# Altium PCB PCB4191.PcbDoc (part 4 of 4) (continued)
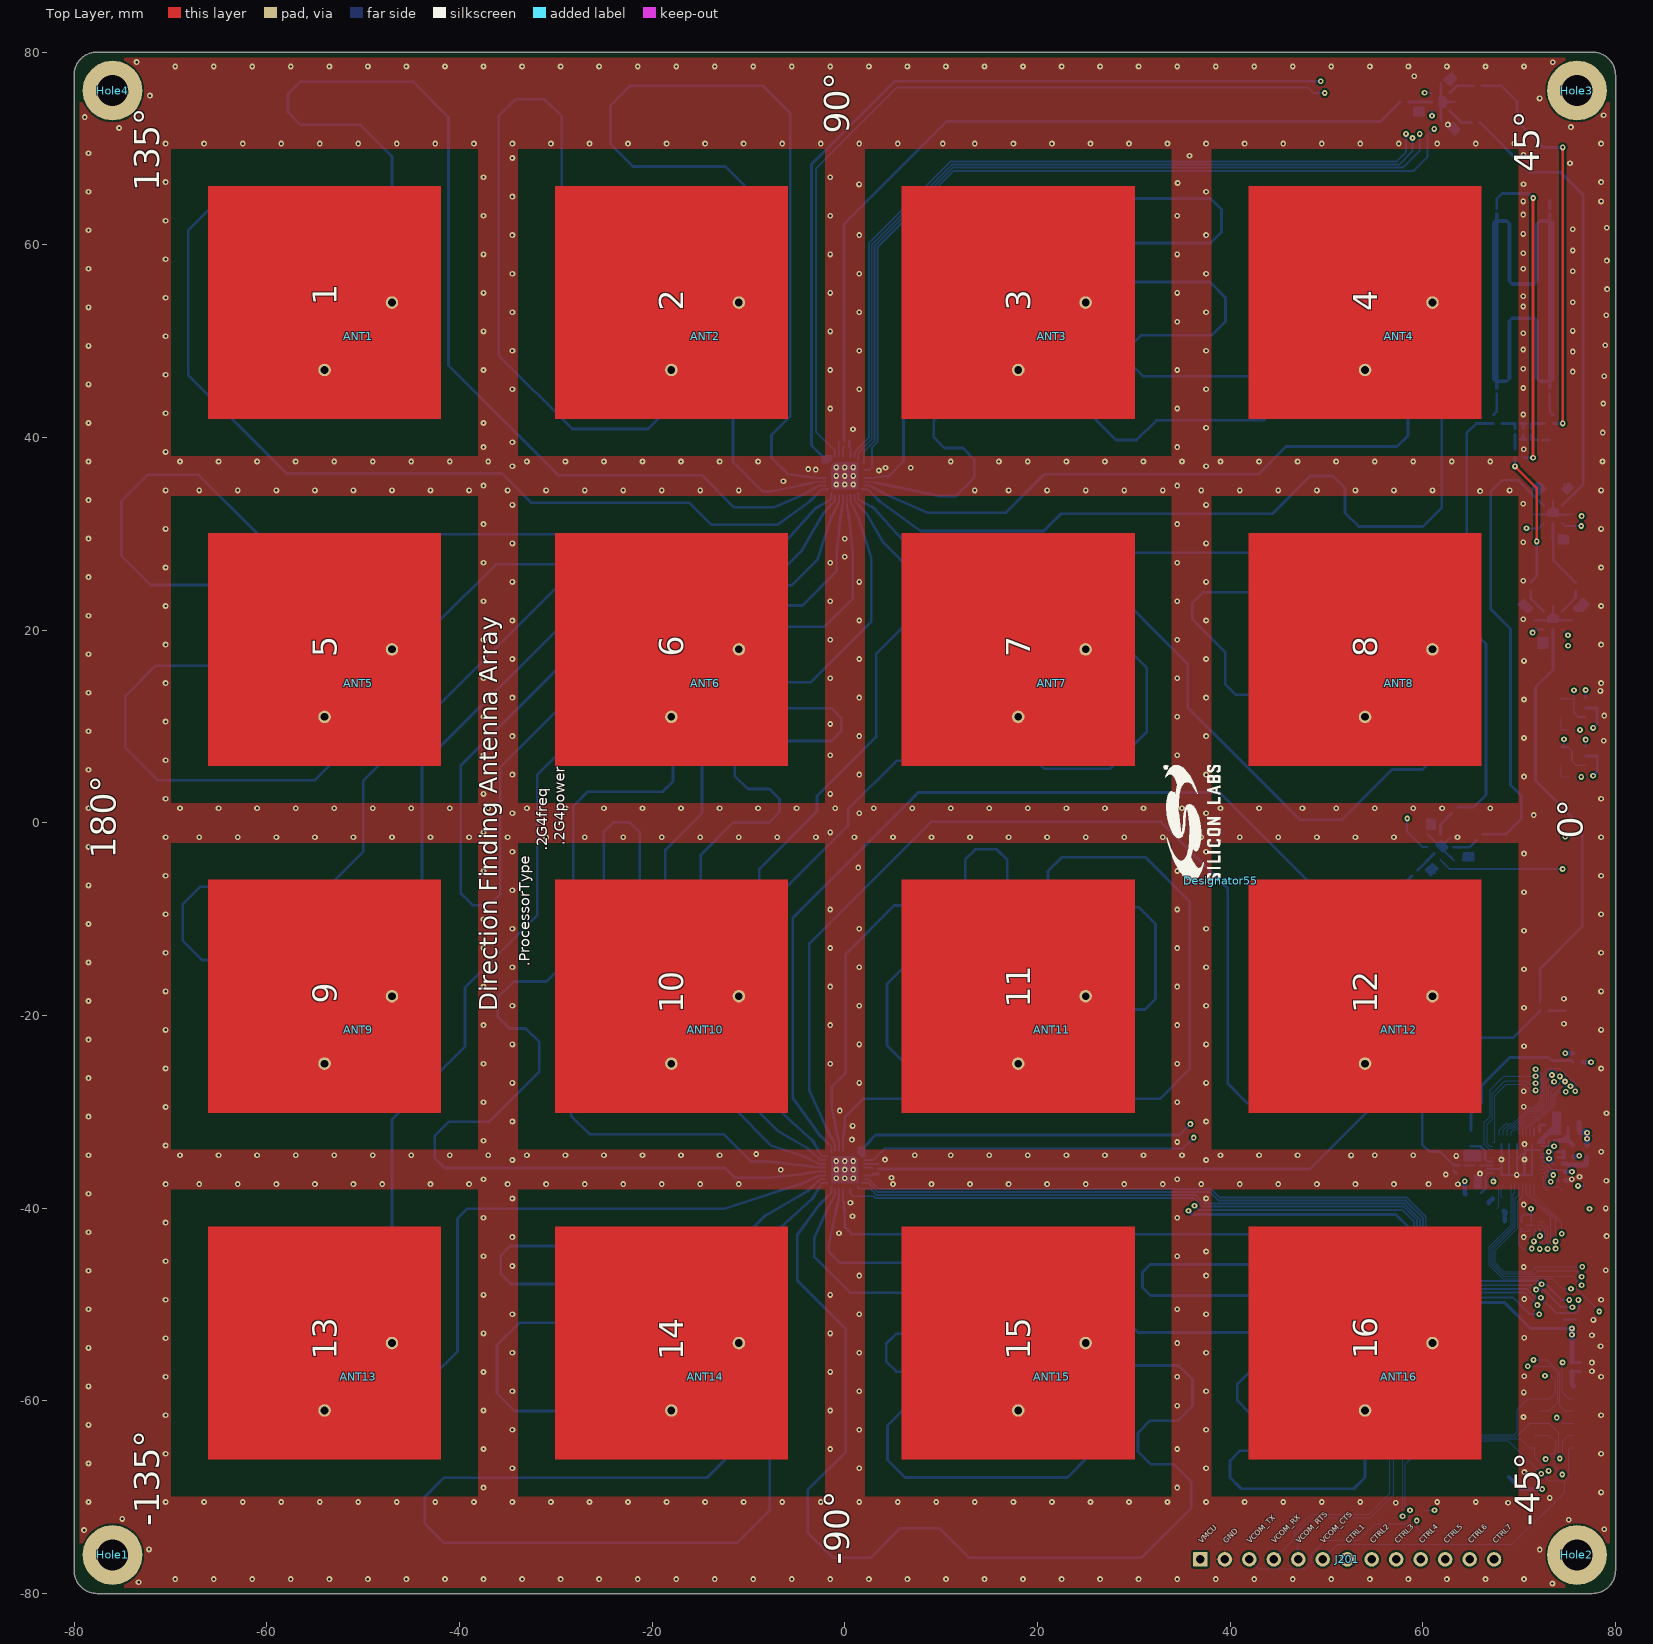
[diagram p0: Top Layer view]
## Nets (pads, with @x,y where several pads share a name; then routed paths per layer and width w, separated by ;. In a path a pad name is that pad's centre, name@x,y a point inside that pad or via, vN(x,y) a via of type N, cw(c..) or ccw(c..) an arc to the next point about the centre after c; other vN are vias at no path point) (continued)
  Bottom Layer w0.3: L203.2@65,-33.575 65.95,-33.575 66.45,-34.075 C206.1@66.45,-34.906
N16857153: CC11.2 D11.2 U201.3 | length 2.7
  Bottom Layer w0.28: U201.3@74.45,21.929 75.838,23.317 CC11.2@75.838,24.054
N16857156: CC12.2 D12.2 U201.1 | length 2.7
  Bottom Layer w0.28: CC12.2@71.212,24.074 71.212,23.267 U201.1@72.55,21.929
N16857328: H1.2 RH1.1 | length 0.8
  Bottom Layer w0.35: H1.2@73.185,63.746 RH1.1@73.185,64.56
N16857331: CH1.1 LH1.1 R209.1 | length 1.5
  Bottom Layer w0.28: R209.1@69.567,38.789 CH1.1@69.567,39.753 ; CH1.1@69.567,39.753 LH1.1@69.567,40.303
N16857342: CH2.1 LH1.2 R211.1 | length 1.9
  Bottom Layer w0.28: R211.1@68.22,41.45 69.565,41.45 CH2.1@69.567,41.453 LH1.2@69.567,40.903
N16857347: CH2.2 CH4.1 LH2.2 | length 1.2
  Bottom Layer w0.28: CH2.2@70.117,41.453 70.417,41.453 ; LH2.2@70.417,40.903 70.417,41.453 ; CH4.1@70.717,41.453 70.417,41.453
N16857354: CH1.2 CH3.1 LH2.1 | length 1.2
  Bottom Layer w0.28: CH1.2@70.117,39.753 70.417,39.753 ; LH2.1@70.417,40.303 70.417,39.753 ; CH3.1@70.717,39.753 70.417,39.753
N16857397: CH4.2 LH3.2 R213.1 | length 1.9
  Bottom Layer w0.28: LH3.2@71.267,40.903 CH4.2@71.267,41.453 R213.1@72.62,41.453
N16857402: H1.4 R210.1 | length 2.3
  Bottom Layer w0.28: R210.1@67.32,42.35 67.655,42.685 H1.4@67.655,44.546
N16857405: H1.3 R212.1 | length 2.3
  Bottom Layer w0.28: H1.3@73.185,44.546 73.185,42.685 R212.1@73.52,42.35
N16857668: CC31.1 D31.2 U203.3 | length 2.7
  Bottom Layer w0.28: U203.3@62.809,73.875 63.991,72.692 CC31.1@65.02,72.692
N16857679: CC32.1 D32.2 U203.1 | length 2.7
  Bottom Layer w0.28: U203.1@62.809,75.775 63.531,76.497 63.541,76.507 CC32.1@65.206,76.507
N16857715: CC41.1 D41.2 U204.3 | length 2.7
  Bottom Layer w0.28: U204.3@63.169,-2.552 64.841,-2.552 CC41.1@65.568,-1.825
N16857764: CC42.1 D42.2 U204.1 | length 2.7
  Bottom Layer w0.28: U204.1@61.825,-1.209 61.825,-0.769 61.825,-0.188 61.825,-0.173 61.83,-0.168 CC42.1@63.002,1.004
N16857781: CC33.2 D33.2 U203.5 | length 2.4
  Bottom Layer w0.28: CC33.2@58.551,74.825 U203.5@60.951,74.825
N16857793: L11.2 U205.3 | length 1.6
  Bottom Layer w0.2: U205.3@-0.625,38.01 L11.2@-0.625,39.625
N16857806: R214.1 R215.2 U205.6 | length 1.7
  Bottom Layer w0.2: R214.1@0.45,39.05 0.6,38.9 U205.6@0.6,37.985
  Bottom Layer w0.28: R214.1@0.45,39.05 R215.2@0.45,39.625
N16857833: R214.2 U205.4 | length 1.1
  Bottom Layer w0.2: U205.4@-0.2,37.985 -0.2,38.937 R214.2@-0.087,39.05
N16857836: CC43.2 D43.2 U204.5 | length 2.4
  Bottom Layer w0.28: CC43.2@59.486,-4.891 U204.5@61.183,-3.195
N16857848: L21.2 U206.3 | length 1.5
  Bottom Layer w0.2: U206.3@1.985,-35.4 L21.2@3.497,-35.4
N16857851: R216.1 R217.2 U206.6 | length 1.6
  Bottom Layer w0.2: U206.6@1.985,-36.6 2.778,-36.6 R216.1@2.922,-36.456 R216.1@2.928,-36.45
  Bottom Layer w0.28: R216.1@2.928,-36.45 R217.2@3.497,-36.45
N16857888: R216.2 U206.4 | length 1
  Bottom Layer w0.2: U206.4@1.985,-35.8 2.816,-35.8 R216.2@2.922,-35.906
N17007322: CH3.2 LH3.1 RH2.1 | length 1.2
  Bottom Layer w0.28: LH3.1@71.267,40.303 CH3.2@71.267,39.753 RH2.1@71.867,39.753
N17033218: LED1.2 R202.2 | length 1.2
  Bottom Layer w0.2: R202.2@74.625,-51.575 LED1.2@75.85,-51.575
N17041538: C222.2 R207.2 U208.1 | length 2
  Bottom Layer w0.1: U208.1@74.355,5.973 74.354,5.971 C222.2@74.354,4.759 R207.2@75.143,4.759
N17041550: C221.2 R206.2 U207.1 | length 2.1
  Bottom Layer w0.1: U207.1@74.355,10.973 C221.2@74.355,9.639 R206.2@75.105,9.639
PAVDD: L203.1 R203.1 R204.2 | length 16
  Bottom Layer w0.3: L203.1@65,-31.925 L203.1@65,-31.9 65,-30.2 66.1,-29.1 66.1,-27.3 69.025,-24.375 73.092,-24.375 73.392,-24.675 75.414,-24.675 R203.1@75.571,-24.833
TP_TDI: TPJ4.1
VDCDC: C215.1 C216.1 L201.2 L202.1 R204.1 U1.34 | length 34.8
  IM3 Signal w0.5: v2(74.772,-23.925) 77.975,-27.128 77.975,-31.25 v2(77.05,-32.175)
  IM3 Signal w0.6: v2(77.05,-32.806) v2(77.05,-32.175)
  IM2 Signal w0.4: v2(64.353,-37.202) 64.353,-36.447 65.099,-35.701 71.149,-35.701 72.326,-34.524 72.326,-34.15 ; v2(73.075,-34.15) 72.326,-34.15 ; v2@77.05,-32.2 73.401,-32.2 72.326,-33.275 72.326,-34.15
  IM2 Signal w0.6: v2(77.05,-32.806) v2(77.05,-32.175)
  Bottom Layer w0.2: U1.34@72.245,-34.35 72.772,-34.35 v2@73.024,-34.098 ; v2(73.075,-34.15) C216.1@73.475,-34.15 ; v2@73.15,-34.075 C216.1@73.45,-34.075
  Bottom Layer w0.5: v2(64.353,-37.202) 64.353,-38.478 L202.1@64.425,-38.55 ; v2(74.772,-23.925) R204.1@75.575,-23.925 ; v2(77.05,-32.806) v2@77.081,-32.806
  Bottom Layer w0.6: L201.2@76.225,-31.125 76.225,-32 76.325,-32.1 76.975,-32.1 v2(77.05,-32.175) v2(77.05,-32.806) C215.1@77.05,-33.475
VMCU: C202.1 C203.1 C209.1 C210.1 C211.1 C212.1 C213.1 C214.1 C218.1 C219.2 C220.2 C223.2 C224.2 J201.1 R201.2 R202.1 R203.2 R205.2 TPJ11.1 U1.32 U1.35 U1.36 U200.A1 U200.E3 U205.1 U205.32 U206.1 U206.32 U207.5 U208.5 | length 438.6
  IM3 Signal w0.3: v2(35.675,-40.275) 35.675,-33.475 35.375,-33.175 35.375,-31.775 v2(35.875,-31.275)
  IM2 Signal w0.4: J201.1@36.91,-76.45 38.935,-74.425 70.2,-74.425 72.382,-72.243 v2(72.382,-69.164) 74.653,-69.164 75.469,-68.347 v2(75.469,-53.137) ; v2(71.225,-40.05) 72.15,-40.05 ; v2(72.15,-42.875) 72.15,-40.05 ; v2(75.475,-52.486) 77.28,-50.682 v2@77.28,-40.05 ; v2(76.229,-34.552) 76.368,-34.552 76.37,-34.55 v2@76.372,-34.552 ; 76.925,-34.55 76.927,-34.552 77.28,-34.905 v2@77.28,-40.05 ; v2(77.3,-40.05) v2@77.28,-40.05 ; 72.15,-40.05 v2@77.28,-40.05
  IM2 Signal w0.5: v2(49.4,76.975) 55.428,76.975 57.783,74.62 67.293,74.62 73.72,68.192 73.72,45.748 75.816,43.651 75.816,33.825 77.531,32.109 77.531,29.93 76.763,29.161 76.763,14.993 77.675,14.081 v2(77.675,9.85) v2(77.675,4.875) 77.675,3.267 76.611,2.203 76.611,-24.036 v2@77.463,-24.888 ; v2(73.1,-34.881) 74.046,-34.881 ; v2(73.625,-33.575) 73.65,-33.575 74.046,-33.97 74.046,-34.881 ; 75.35,-34.889 75.475,-35.014 v2(75.475,-36.225) ; v2(76.229,-34.552) 76.079,-34.552 75.75,-34.881 74.046,-34.881 ; v2@76.368,-34.552 76.372,-34.552 76.927,-34.552 76.973,-34.552 78.225,-33.3 78.225,-27.25 ; v2(77.463,-24.859) v2@77.463,-24.888 ; v2@77.463,-24.888 77.475,-24.9 77.475,-26.5 77.525,-26.55 ; 77.525,-26.55 78.225,-27.25 ; 77.525,-26.55 78.225,-27.25
  IM2 Signal w0.6: v2(75.469,-53.137) 75.469,-52.492 v2(75.475,-52.486)
  Bottom Layer w0.2: R205.2@70.225,-41.425 70.225,-40.925 70.475,-40.675 C218.1@71.225,-40.675 ; v2(71.225,-40.05) C218.1@71.225,-40.675 ; U200.A1@71.25,-41.425 C218.1@71.25,-40.675 C218.1@71.225,-40.675 ; U200.E3@72.05,-42.125 72.15,-42.225 v2@72.15,-42.85 ; U1.35@72.245,-34.75 72.82,-34.75 ; U1.32@72.245,-33.55 73.05,-33.55 ; U1.36@72.35,-35.15 72.639,-35.15 73.025,-35.536 73.025,-35.681 73.375,-36.031 C213.1@74.1,-36.031 C214.1@74.675,-36.031 ; C209.1@73.075,-32.981 73.05,-33.006 73.05,-33.55 ; C212.1@73.4,-35.15 73.4,-34.8 C211.1@73.475,-34.725 ; C211.1@73.425,-34.75 72.82,-34.75 ; C212.1@73.575,-35.375 73.445,-35.375 72.82,-34.75 ; v2(73.625,-33.575) v2@73.675,-33.575 ; v2@73.65,-33.55 73.05,-33.55
  Bottom Layer w0.3: -2.25,37.741 -2.25,37.804 ; -2.25,37.975 -2.25,37.954 ; -1.987,37.666 -2.112,37.666 -2.25,37.804 ; 1.726,-33.947 C224.2@2.748,-32.925 ; C224.2@2.563,-33.009 3.173,-32.4 34.75,-32.4 v2(35.875,-31.275) ; v2(35.675,-40.275) 36.075,-40.675 57.225,-40.675 58.45,-41.9 58.45,-46.275 61.95,-49.775 68.45,-49.775 71.161,-52.486 v2(75.475,-52.486) ; v2(49.4,76.975) 5.175,76.975 -3.448,68.352 -3.448,39.151 -2.25,37.954 ; R201.2@75.475,-56.037 C202.1@76.375,-56.037 ; U208.5@76.895,6.925 78.093,6.925 C220.2@78.097,6.928 78.097,5.297 v2(77.675,4.875) ; U207.5@76.895,11.925 78.075,11.925 C219.2@78.078,11.921 78.078,10.253 v2(77.675,9.85) ; -2.25,37.804 -2.25,37.954
  Bottom Layer w0.4: TPJ11.1@68.949,-67.907 70.206,-69.164 v2(72.382,-69.164) ; v2@75.469,-52.492 v2(75.475,-52.486)
  Bottom Layer w0.5: C214.1@74.8,-36.231 74.825,-36.206 74.845,-36.225 v2(75.475,-36.225) ; R201.2@75.475,-56.037 C203.1@75.475,-54.462 v2@75.475,-53.137 ; C210.1@75.65,-34.656 75.975,-34.656 76.081,-34.55 76.083,-34.552 v2(76.229,-34.552) ; R203.2@76.606,-24.859 v2(77.463,-24.859)
  Bottom Layer w0.6: v2(75.469,-53.137) v2@75.469,-52.492
VMCU_IN: C201.1 P201.1 R201.1 | length 2.6
  Bottom Layer w0.3: R201.1@75.475,-56.937 C201.1@76.375,-56.937
  Bottom Layer w0.5: R201.1@75.475,-56.937 75.475,-58.33 P201.1@75.657,-58.512
VRF: TPJ9.1
pads on no net: Hole1.1 Hole2.1 Hole3.1 Hole4.1 TPJ18.1 TPJ19.1 U200.C1 U205.10 U205.12 U205.29 U205.30 U205.31 U206.10 U206.12 U206.29 U206.30 U206.31

## Polygon pours and split planes (outlines as drawn)
GND on IM4 GND "L3_GND" (solid, pour order 0): -80,80 80,80 80,-80 -80,-80
GND on IM3 Signal "L2_CELL_FILL" (solid, remove dead copper, pour order 2): -80,80 80,80 80,-80 -80,-80
GND on Top Layer "Top_GND" (solid, pour order 8): -80,80 80,80 80,-80 -80,-80
GND on IM2 Signal "GND_L03_P010" (solid, remove dead copper, pour order 10): -80,80 -80,-80 80,-80 80,80
GND on IM1 RIS "GND_L02_P012" (solid, pour order 12): -80,80 -80,-80 80,-80 80,80
GND on Bottom Layer "Bottom_GND" (solid, remove dead copper, pour order 6): -80,80 80,80 80,-80 -80,-80

## Other copper
IM4 GND:
  pour cut-out: 77.493,-20.342 77.493,-18.642 75.389,-18.642 75.389,-18.91 74.093,-18.911 74.093,-20.079 75.389,-20.079 75.389,-20.341
Bottom Layer:
  region net GND: 66.125,-36.539 65.275,-36.539 65.275,-37.975 65.8,-37.975 66.125,-37.975 66.125,-37.65
  pour cut-out: 72.142,41.985 68.779,41.985 68.779,39.27 72.142,39.27
  region net VMCU: -2.4,38.05 -2.4,37.325 -1.65,37.325 -1.325,37.65 -1.325,38.125 -2.325,38.125
  pour cut-out: 66.452,-39.325 66.452,-39.628 66.75,-39.926 66.75,-41.025 66.8,-41.075 67.62,-41.075 68.29,-41.745 69,-41.745 69,-41.031 69,-38.25 67.125,-38.25 66.8,-38.575 66.8,-38.977
  region net GND: 75.515,22.272 76.556,23.314 76.764,23.314 77.377,22.701 76.602,21.926 75.818,21.926
  pour cut-out: 72.85,-32.7 72.85,-37.45 74.3,-37.45 74.3,-37.65 75.15,-37.65 75.15,-35.775 75.675,-35.25 76.6,-35.25 76.6,-32.7
  region net N16816371: 74.325,-30.006 73.45,-30.006 73.45,-31.425 71.85,-33.025 71.85,-33.3 72.65,-33.3 72.65,-32.95 73.22,-32.381 74.325,-32.381
  region net GND: 72.104,33.969 71.333,34.74 71.355,34.875 71.825,35.345 72.178,35.345 72.85,34.673
  region net GND: 74.01,29.982 74.01,28.892 75.004,28.872 75.144,29.013 75.144,29.826
  region net GND: 74.964,34.039 75.738,34.813 75.235,35.274 74.964,35.274 74.31,34.62
  region net GND: 61.365,-0.73 61.365,0.355 61.256,0.437 60.36,0.437 60.36,-0.688 60.46,-0.788
  region net GND: 60.973,-4.125 60.203,-4.896 60.225,-4.997 60.84,-5.613 61.665,-4.788 61.665,-4.713
  region net GND: 72.991,19.24 72.991,18.11 72.819,18.051 71.952,18.051 71.952,19.176 72.052,19.276
  region net GND: 70.48,23.278 71.492,22.266 71.125,21.875 70.621,21.875 69.792,22.704
  region net GND: 64.219,-3.062 65.303,-3.062 65.34,-3.172 65.34,-4.013 64.19,-4.013 64.115,-3.938
  pour cut-out: 67.33,-35.125 67.33,-35.975 62.765,-35.975 62.765,-35.125
  region net VMCU: 2.05,-33.6 1.325,-33.6 1.325,-34.35 1.65,-34.675 2.125,-34.675 2.125,-33.675
  region net GND: 63.191,72.772 63.958,72.005 63.907,71.902 63.312,71.307 62.499,72.12 62.499,72.226
  region net GND: 60.144,74.315 59.055,74.315 58.999,74.228 58.999,73.358 60.165,73.358 60.218,73.411
  region net GND: 62.822,76.439 63.59,77.206 63.571,77.341 62.937,77.975 62.142,77.18 62.142,77.038
  region net GND: 66.075,-34.131 65.875,-33.931 64.25,-33.931 64.25,-35.125 66.025,-35.125 ccw(c66.026,-35.075) 66.075,-35.075
  pour cut-out: 4.5,36 cw(c0,36) -4.5,36
  pour cut-out: 0,-40.5 cw(c0,-36) 0,-31.5
Multi-Layer:
  pour cut-out: 74.8,-74.8 80,-74.8 80,-80 74.8,-80
  pour cut-out: -74.8,-74.8 -74.8,-80 -80,-80 -80,-74.8
  pour cut-out: -74.8,74.8 -80,74.8 -80,80 -74.8,80
  pour cut-out: 74.8,74.8 74.8,80 80,80 80,74.8

## Silkscreen, mask and mechanical layers (free items; w line width, h text height)
Top Overlay:
  text "90°" at 1.344,71.525 h4.5 r90
  text "45°" at 72.95,67.5 h4.5 r90
  text "135°" at -70.275,65.575 h4.5 r90
  text "1" at -52.75,53.702 h2.5 r90
  text "2" at -16.75,53.167 h2.5 r90
  text "3" at 19.25,53.167 h2.5 r90
  text "4" at 55.25,53.107 h2.5 r90
  text "6" at -16.75,17.226 h2.5 r90
  text "5" at -52.75,17.167 h2.5 r90
  text "7" at 19.25,17.167 h2.5 r90
  text "8" at 55.25,17.167 h2.5 r90
  text "0°" at 77.5,-1.655 h4.5 r90
  text ".2G4power" at -28.725,-2.325 h1.9 r90
  text ".2G4freq" at -30.525,-2.925 h1.9 r90
  text "180°" at -74.775,-3.713 h4.5 r90
  text ".ProcessorType" at -32.35,-14.875 h1.9 r90
  text "9" at -52.75,-18.774 h2.5 r90
  text "11" at 19.25,-19.214 h2.5 r90
  text "Direction Finding Antenna Array" at -35.425,-19.55 h3.2 r90
  text "10" at -16.75,-19.75 h2.5 r90
  text "12" at 55.25,-19.75 h2.5 r90
  text "16" at 55.25,-55.69 h2.5 r90
  text "13" at -52.75,-55.75 h2.5 r90
  text "15" at 19.25,-55.75 h2.5 r90
  text "14" at -16.75,-55.809 h2.5 r90
  text "-135°" at -70.275,-73 h4.5 r90
  text "-45°" at 73,-73 h4.5 r90
  text "VMCU" at 37.215,-75 h1 r45
  text "GND" at 39.755,-75 h1 r45
  text "VCOM_TX" at 42.248,-75 h1 r45
  text "VCOM_RX" at 44.788,-75 h1 r45
  text "VCOM_RTS" at 47.328,-75 h1 r45
  text "VCOM_CTS" at 49.868,-75 h1 r45
  text "CTRL1" at 52.455,-75 h1 r45
  text "CTRL2" at 54.998,-75 h1 r45
  text "CTRL3" at 57.538,-75 h1 r45
  text "CTRL4" at 60.078,-75 h1 r45
  text "CTRL5" at 62.618,-75 h1 r45
  text "CTRL6" at 65.158,-75 h1 r45
  text "CTRL7" at 67.698,-75 h1 r45
  text "-90°" at 1.344,-77 h4.5 r90
Bottom Overlay:
  lines w0.15: -75.448,-8.577 -75.448,-9.577 -74.448,-9.577 ; -75.448,8.423 -75.448,9.423 -74.448,9.423 ; -70.45,-9.475 -69.45,-9.475 -69.45,-8.475 ; -70.45,9.525 -69.45,9.525 -69.45,8.525
  lines w0.152: 66.825,42.55 66.825,42.85 67.125,42.85 ; 66.85,41.65 66.85,41.95 ; 66.875,41.05 66.875,40.95 67.125,40.95 ; 67.525,40.95 67.775,40.95 67.775,41.05 ; 67.525,42.85 67.825,42.85 67.825,42.55 ; 67.825,42.25 67.825,41.95 68.125,41.95 ; 68.425,40.95 68.725,40.95 68.725,41.25 ; 68.425,41.95 68.725,41.95 68.725,41.65 ; 69.075,39 69.075,39.3 69.375,39.3 ; 69.1,38.1 69.1,38.4 ; 69.125,37.5 69.125,37.4 69.375,37.4 ; 69.775,37.4 70.025,37.4 70.025,37.5 ; 69.775,39.3 70.075,39.3 70.075,39 ; 70.075,38.7 70.075,38.4 70.375,38.4 ; 70.675,37.4 70.975,37.4 70.975,37.7 ; 70.675,38.4 70.975,38.4 70.975,38.1 ; 72.125,41.25 72.125,40.95 72.425,40.95 ; 72.125,41.65 72.125,41.95 72.425,41.95 ; 72.725,41.95 73.025,41.95 73.025,42.25 ; 73.025,40.975 73.325,40.975 ; 73.025,42.55 73.025,42.85 73.325,42.85 ; 73.725,42.85 74.025,42.85 74.025,42.55 ; 73.925,41 74.025,41 74.025,41.25 ; 73.925,41.9 74.025,41.9 74.025,41.65 ; 75.082,-23.714 75.082,-23.414 75.382,-23.414 ; 75.107,-24.614 75.107,-24.314 ; 75.132,-25.214 75.132,-25.314 75.382,-25.314 ; 75.782,-25.314 76.032,-25.314 76.032,-25.214 ; 75.782,-23.414 76.082,-23.414 76.082,-23.714 ; 76.082,-24.014 76.082,-24.314 76.382,-24.314 ; 76.682,-25.314 76.982,-25.314 76.982,-25.014 ; 76.682,-24.314 76.982,-24.314 76.982,-24.614
  text "HYBRID_I" at 65.7,48.525 h1.6 r90
  text "HYBRID_Q" at 77.45,48.4 h1.6 r90
  text "QWAVE" at 74.975,45.675 h1.2 r90
  text "QWAVE" at 66.625,45.575 h1.2 r90
  text "LUMPED" at 77.075,39.95 h1.2
  text "LUMPED" at 68.7,39.875 h1.2
  text "LUMPED" at 68.779,39.27 h1.2 r90
  text "HYBRID_IN" at 68.325,38.475 h1.6 r90
  text "QWAVE" at 73.175,36.25 h1.2
  text "BOARD INFO" at -75.798,9.473 h1.6 r90
  text "'.BoardName' Rev. '.BoardRevision'" at -77.275,9.45 h1.52 r90
  text "PAVDD" at 73.9,-21.075 h1.6 r90
  text "VDCDC" at 74.8,-22.475 h1.2 r90
  text "VMCU" at 78.275,-26.425 h1.2
Top Solder:
  the board outline again, w1.2
Bottom Solder:
  the board outline again, w1.2
Mechanical 1:
  the board outline again, w0.1
Drawing Top:
  drawing of 216 lines, arcs and shapes, not listed
Drawing RIS:
  drawing of 984 lines, arcs and shapes, not listed
Mechanical 5:
  lines w0.013: -72,-72 -72,-36 ; -72,-72 -36,-72 ; -72,-72 -72,72 ; -72,-72 72,-72 ; -72,-36 -72,0 ; -72,-36 -36,-36 ; -72,-36 -36,-36 ; -72,0 -36,0 ; -72,0 -72,36 ; -72,0 -36,0 ; -72,36 -72,72 ; -72,36 -36,36 ; -72,36 -36,36 ; -72,72 -36,72 ; -72,72 72,72 ; -36,-72 -36,-36 ; -36,-72 0,-72 ; -36,-72 -36,-36 ; -36,-36 -36,0 ; -36,-36 0,-36 ; -36,-36 0,-36 ; -36,-36 -36,0 ; -36,0 0,0 ; -36,0 -36,36 ; -36,0 0,0 ; -36,0 -36,36 ; -36,36 -36,72 ; -36,36 0,36 ; -36,36 0,36 ; -36,36 -36,72 ; -36,72 0,72 ; 0,-72 0,-36 ; 0,-72 0,-36 ; 0,-72 36,-72 ; 0,-36 0,0 ; 0,-36 0,0 ; 0,-36 36,-36 ; 0,-36 36,-36 ; 0,0 0,36 ; 0,0 36,0 ; 0,0 0,36 ; 0,0 36,0 ; 0,36 0,72 ; 0,36 36,36 ; 0,36 0,72 ; 0,36 36,36 ; 0,72 36,72 ; 36,-72 36,-36 ; 36,-72 72,-72 ; 36,-72 36,-36 ; 36,-36 36,0 ; 36,-36 72,-36 ; 36,-36 72,-36 ; 36,-36 36,0 ; 36,0 72,0 ; 36,0 36,36 ; 36,0 72,0 ; 36,0 36,36 ; 36,36 72,36 ; 36,36 36,72 ; 36,36 36,72 ; 36,36 72,36 ; 36,72 72,72 ; 72,-72 72,-36 ; 72,-72 72,72 ; 72,-36 72,0 ; 72,0 72,36 ; 72,36 72,72 ; -80,-80 -80,80 80,80 80,-80 -80,-80 ; -69.9,-69.9 -69.9,-38.1 -38.1,-38.1 -38.1,-69.9 -69.9,-69.9 ; -69.9,-33.9 -69.9,-2.1 -38.1,-2.1 -38.1,-33.9 -69.9,-33.9 ; -69.9,2.1 -69.9,33.9 -38.1,33.9 -38.1,2.1 -69.9,2.1 ; -69.9,38.1 -69.9,69.9 -38.1,69.9 -38.1,38.1 -69.9,38.1 ; -33.9,-69.9 -33.9,-38.1 -2.1,-38.1 -2.1,-69.9 -33.9,-69.9 ; -33.9,-33.9 -33.9,-2.1 -2.1,-2.1 -2.1,-33.9 -33.9,-33.9 ; -33.9,2.1 -33.9,33.9 -2.1,33.9 -2.1,2.1 -33.9,2.1 ; -33.9,38.1 -33.9,69.9 -2.1,69.9 -2.1,38.1 -33.9,38.1 ; 2.1,-69.9 2.1,-38.1 33.9,-38.1 33.9,-69.9 2.1,-69.9 ; 2.1,-33.9 2.1,-2.1 33.9,-2.1 33.9,-33.9 2.1,-33.9 ; 2.1,2.1 2.1,33.9 33.9,33.9 33.9,2.1 2.1,2.1 ; 2.1,38.1 2.1,69.9 33.9,69.9 33.9,38.1 2.1,38.1 ; 38.1,-69.9 38.1,-38.1 69.9,-38.1 69.9,-69.9 38.1,-69.9 ; 38.1,-33.9 38.1,-2.1 69.9,-2.1 69.9,-33.9 38.1,-33.9 ; 38.1,2.1 38.1,33.9 69.9,33.9 69.9,2.1 38.1,2.1 ; 38.1,38.1 38.1,69.9 69.9,69.9 69.9,38.1 38.1,38.1
Mechanical 6:
  drawing of 504 lines, arcs and shapes, not listed
Mechanical 7:
  drawing of 2118 lines, arcs and shapes, not listed
  text "TP12" at -80.195,72.421 h0.5
  text "TP12" at -30.395,72.421 h0.5
  text "TP12" at 19.405,72.421 h0.5
  text "TP12" at 69.205,72.421 h0.5
  text "TP2" at -88.046,71.85 h0.5
  text "TP2" at -38.246,71.85 h0.5
  text "TP2" at 11.554,71.85 h0.5
  text "TP2" at 61.354,71.85 h0.5
  text "TP8" at -90.546,71.37 h0.5
  text "TP8" at -40.746,71.37 h0.5
  text "TP8" at 9.054,71.37 h0.5
  text "TP8" at 58.854,71.37 h0.5
  text "TP15" at -79.796,69.77 h0.5
  text "TP15" at -29.996,69.77 h0.5
  text "TP15" at 19.804,69.77 h0.5
  text "TP15" at 69.604,69.77 h0.5
  text "TP6" at -87.127,69.041 h0.5
  text "TP6" at -37.327,69.041 h0.5
  text "TP6" at 12.473,69.041 h0.5
  text "TP6" at 62.273,69.041 h0.5
  text "TP7" at -89.657,69 h0.5
  text "TP7" at -39.857,69 h0.5
  text "TP7" at 9.943,69 h0.5
  text "TP7" at 59.743,69 h0.5
  text "TP14" at -79.796,67.171 h0.5
  text "TP14" at -29.996,67.171 h0.5
  text "TP14" at 19.804,67.171 h0.5
  text "TP14" at 69.604,67.171 h0.5
  text "TP5" at -90.596,66.671 h0.5
  text "TP5" at -40.796,66.671 h0.5
  text "TP5" at 9.004,66.671 h0.5
  text "TP5" at 58.804,66.671 h0.5
  text "TP4" at -87.127,66.521 h0.5
  text "TP4" at -37.327,66.521 h0.5
  text "TP4" at 12.473,66.521 h0.5
  text "TP4" at 62.273,66.521 h0.5
  text "TP10" at -80.696,64.22 h0.5
  text "TP10" at -30.896,64.22 h0.5
  text "TP10" at 18.904,64.22 h0.5
  text "TP10" at 68.704,64.22 h0.5
  text "TP17" at -90.596,64.07 h0.5
  text "TP17" at -40.796,64.07 h0.5
  text "TP17" at 9.004,64.07 h0.5
  text "TP17" at 58.804,64.07 h0.5
  text "TP11" at -79.774,61.667 h0.5
  text "TP11" at -29.974,61.667 h0.5
  text "TP11" at 19.826,61.667 h0.5
  text "TP11" at 69.626,61.667 h0.5
  text "TP13" at -81.546,60.171 h0.5
  text "TP13" at -31.746,60.171 h0.5
  text "TP13" at 18.054,60.171 h0.5
  text "TP13" at 67.854,60.171 h0.5
  text "TP9" at -78.295,59.47 h0.5
  text "TP9" at -28.495,59.47 h0.5
  text "TP9" at 21.305,59.47 h0.5
  text "TP9" at 71.105,59.47 h0.5
  text "TP3" at -88.445,58.271 h0.5
  text "TP3" at -38.645,58.271 h0.5
  text "TP3" at 11.155,58.271 h0.5
  text "TP3" at 60.955,58.271 h0.5
  text "TP18" at -97.995,56.391 h0.5
  text "TP18" at -48.195,56.391 h0.5
  text "TP18" at 1.605,56.391 h0.5
  text "TP18" at 51.405,56.391 h0.5
  text "TP1" at -88.397,55.721 h0.5
  text "TP16" at -81.897,55.721 h0.5
  text "TP1" at -38.597,55.721 h0.5
  text "TP16" at -32.097,55.721 h0.5
  text "TP1" at 11.203,55.721 h0.5
  text "TP16" at 17.703,55.721 h0.5
  text "TP1" at 61.003,55.721 h0.5
  text "TP16" at 67.503,55.721 h0.5
  text "TP19" at -100.147,55.37 h0.5
  text "TP19" at -50.347,55.37 h0.5
  text "TP19" at -0.547,55.37 h0.5
  text "TP19" at 49.253,55.37 h0.5
  text "TP20" at -102.806,48.421 h0.5
  text "TP20" at -53.006,48.421 h0.5
  text "TP20" at -3.206,48.421 h0.5
  text "TP20" at 46.594,48.421 h0.5
  text "TP12" at -80.195,7.621 h0.5
  text "TP12" at -30.395,7.621 h0.5
  text "TP12" at 19.405,7.621 h0.5
  text "TP12" at 69.205,7.621 h0.5
  text "TP2" at -88.046,7.05 h0.5
  text "TP2" at -38.246,7.05 h0.5
  text "TP2" at 11.554,7.05 h0.5
  text "TP2" at 61.354,7.05 h0.5
  text "TP8" at -90.546,6.57 h0.5
  text "TP8" at -40.746,6.57 h0.5
  text "TP8" at 9.054,6.57 h0.5
  text "TP8" at 58.854,6.57 h0.5
  text "TP15" at -79.796,4.97 h0.5
  text "TP15" at -29.996,4.97 h0.5
  text "TP15" at 19.804,4.97 h0.5
  text "TP15" at 69.604,4.97 h0.5
  text "TP6" at -87.127,4.241 h0.5
  text "TP6" at -37.327,4.241 h0.5
  text "TP6" at 12.473,4.241 h0.5
  text "TP6" at 62.273,4.241 h0.5
  text "TP7" at -89.657,4.2 h0.5
  text "TP7" at -39.857,4.2 h0.5
  text "TP7" at 9.943,4.2 h0.5
  text "TP7" at 59.743,4.2 h0.5
  text "TP14" at -79.796,2.371 h0.5
  text "TP14" at -29.996,2.371 h0.5
  text "TP14" at 19.804,2.371 h0.5
  text "TP14" at 69.604,2.371 h0.5
  text "TP5" at -90.596,1.871 h0.5
  text "TP5" at -40.796,1.871 h0.5
  text "TP5" at 9.004,1.871 h0.5
  text "TP5" at 58.804,1.871 h0.5
  text "TP4" at -87.127,1.721 h0.5
  text "TP4" at -37.327,1.721 h0.5
  text "TP4" at 12.473,1.721 h0.5
  text "TP4" at 62.273,1.721 h0.5
  text "TP10" at -80.696,-0.58 h0.5
  text "TP10" at -30.896,-0.58 h0.5
  text "TP10" at 18.904,-0.58 h0.5
  text "TP10" at 68.704,-0.58 h0.5
  text "TP17" at -90.596,-0.73 h0.5
  text "TP17" at -40.796,-0.73 h0.5
  text "TP17" at 9.004,-0.73 h0.5
  text "TP17" at 58.804,-0.73 h0.5
  text "TP11" at -79.774,-3.133 h0.5
  text "TP11" at -29.974,-3.133 h0.5
  text "TP11" at 19.826,-3.133 h0.5
  text "TP11" at 69.626,-3.133 h0.5
  text "TP13" at -81.546,-4.629 h0.5
  text "TP13" at -31.746,-4.629 h0.5
  text "TP13" at 18.054,-4.629 h0.5
  text "TP13" at 67.854,-4.629 h0.5
  text "TP9" at -78.295,-5.33 h0.5
  text "TP9" at -28.495,-5.33 h0.5
  text "TP9" at 21.305,-5.33 h0.5
  text "TP9" at 71.105,-5.33 h0.5
  text "TP3" at -88.445,-6.529 h0.5
  text "TP3" at -38.645,-6.529 h0.5
  text "TP3" at 11.155,-6.529 h0.5
  text "TP3" at 60.955,-6.529 h0.5
  text "TP18" at -97.995,-8.409 h0.5
  text "TP18" at -48.195,-8.409 h0.5
  text "TP18" at 1.605,-8.409 h0.5
  text "TP18" at 51.405,-8.409 h0.5
  text "TP1" at -88.397,-9.079 h0.5
  text "TP16" at -81.897,-9.079 h0.5
  text "TP1" at -38.597,-9.079 h0.5
  text "TP16" at -32.097,-9.079 h0.5
  text "TP1" at 11.203,-9.079 h0.5
  text "TP16" at 17.703,-9.079 h0.5
  text "TP1" at 61.003,-9.079 h0.5
  text "TP16" at 67.503,-9.079 h0.5
  text "TP19" at -100.147,-9.43 h0.5
  text "TP19" at -50.347,-9.43 h0.5
  text "TP19" at -0.547,-9.43 h0.5
  text "TP19" at 49.253,-9.43 h0.5
  text "TP20" at -102.806,-16.379 h0.5
  text "TP20" at -53.006,-16.379 h0.5
  text "TP20" at -3.206,-16.379 h0.5
  text "TP20" at 46.594,-16.379 h0.5
  text "TP12" at -80.195,-57.179 h0.5
  text "TP12" at -30.395,-57.179 h0.5
  text "TP12" at 19.405,-57.179 h0.5
  text "TP12" at 69.205,-57.179 h0.5
  text "TP2" at -88.046,-57.75 h0.5
  text "TP2" at -38.246,-57.75 h0.5
  text "TP2" at 11.554,-57.75 h0.5
  text "TP2" at 61.354,-57.75 h0.5
  text "TP8" at -90.546,-58.23 h0.5
  text "TP8" at -40.746,-58.23 h0.5
  text "TP8" at 9.054,-58.23 h0.5
  text "TP8" at 58.854,-58.23 h0.5
  text "TP15" at -79.796,-59.83 h0.5
  text "TP15" at -29.996,-59.83 h0.5
  text "TP15" at 19.804,-59.83 h0.5
  text "TP15" at 69.604,-59.83 h0.5
  text "TP6" at -87.127,-60.559 h0.5
  text "TP6" at -37.327,-60.559 h0.5
  text "TP6" at 12.473,-60.559 h0.5
  text "TP6" at 62.273,-60.559 h0.5
  text "TP7" at -89.657,-60.6 h0.5
  text "TP7" at -39.857,-60.6 h0.5
  text "TP7" at 9.943,-60.6 h0.5
  text "TP7" at 59.743,-60.6 h0.5
  text "TP14" at -79.796,-62.429 h0.5
  text "TP14" at -29.996,-62.429 h0.5
  text "TP14" at 19.804,-62.429 h0.5
  text "TP14" at 69.604,-62.429 h0.5
  text "TP5" at -90.596,-62.929 h0.5
  text "TP5" at -40.796,-62.929 h0.5
  text "TP5" at 9.004,-62.929 h0.5
  text "TP5" at 58.804,-62.929 h0.5
  text "TP4" at -87.127,-63.079 h0.5
  text "TP4" at -37.327,-63.079 h0.5
  text "TP4" at 12.473,-63.079 h0.5
  text "TP4" at 62.273,-63.079 h0.5
  text "TP10" at -80.696,-65.38 h0.5
  text "TP10" at -30.896,-65.38 h0.5
  text "TP10" at 18.904,-65.38 h0.5
  text "TP10" at 68.704,-65.38 h0.5
  text "TP17" at -90.596,-65.53 h0.5
  text "TP17" at -40.796,-65.53 h0.5
  text "TP17" at 9.004,-65.53 h0.5
  text "TP17" at 58.804,-65.53 h0.5
  text "TP11" at -79.774,-67.933 h0.5
  text "TP11" at -29.974,-67.933 h0.5
  text "TP11" at 19.826,-67.933 h0.5
  text "TP11" at 69.626,-67.933 h0.5
  text "TP13" at -81.546,-69.429 h0.5
  text "TP13" at -31.746,-69.429 h0.5
  text "TP13" at 18.054,-69.429 h0.5
  text "TP13" at 67.854,-69.429 h0.5
  text "TP9" at -78.295,-70.13 h0.5
  text "TP9" at -28.495,-70.13 h0.5
  text "TP9" at 21.305,-70.13 h0.5
  text "TP9" at 71.105,-70.13 h0.5
  text "TP3" at -88.445,-71.329 h0.5
  text "TP3" at -38.645,-71.329 h0.5
  text "TP3" at 11.155,-71.329 h0.5
  text "TP3" at 60.955,-71.329 h0.5
  text "TP18" at -97.995,-73.209 h0.5
  text "TP18" at -48.195,-73.209 h0.5
  text "TP18" at 1.605,-73.209 h0.5
  text "TP18" at 51.405,-73.209 h0.5
  text "TP1" at -88.397,-73.879 h0.5
  text "TP16" at -81.897,-73.879 h0.5
  text "TP1" at -38.597,-73.879 h0.5
  text "TP16" at -32.097,-73.879 h0.5
  text "TP1" at 11.203,-73.879 h0.5
  text "TP16" at 17.703,-73.879 h0.5
  text "TP1" at 61.003,-73.879 h0.5
  text "TP16" at 67.503,-73.879 h0.5
  text "TP19" at -100.147,-74.23 h0.5
  text "TP19" at -50.347,-74.23 h0.5
  text "TP19" at -0.547,-74.23 h0.5
  text "TP19" at 49.253,-74.23 h0.5
  text "TP20" at -102.806,-81.179 h0.5
  text "TP20" at -53.006,-81.179 h0.5
  text "TP20" at -3.206,-81.179 h0.5
  text "TP20" at 46.594,-81.179 h0.5

## Text inside footprints (layer, text, board x,y; h text height)
Designator167: Mechanical 31 ":" at -35,381.5 h2; Mechanical 31 "Removal of thin solder resist dams (between QFN and BGA pads)" at -30.744,409.993 h2.3; Mechanical 31 "is allowed" at -31,506 h2; Mechanical 31 "shall be put in the PCB frame, No marking on the boards" at -31,510 h2; Mechanical 31 "All PCB manufacturer's markings (Logo, Week/Year, UL)" at -31,514 h2; Mechanical 31 "a minimum 1.5 mm clearance to possible fiducials." at -31,474 h2; Mechanical 31 "-------------------------------------------------------------------------" at -71,578 h2; Mechanical 31 "*** PCB SPECIFICATION FOR BARE BOARD MANUFACTURING ***" at -71,582 h2; Mechanical 31 "<-------------------------------------------------------------------------1(2)" at -71,586 h2; Mechanical 31 ":" at -35,574 h2; Mechanical 31 ":" at -35,570 h2; Mechanical 31 ":" at -35,566 h2; Mechanical 31 ":" at -35,562 h2; Mechanical 31 ":" at -35,554 h2; Mechanical 31 ":" at -35,550 h2; Mechanical 31 ":" at -35,546 h2; Mechanical 31 ":" at -35,542 h2; Mechanical 31 "Cu TRACK(TRACE)" at -71,373 h2; Mechanical 31 "Page 1" at 13,318 h2; Mechanical 31 "Silicon Labs" at -31,574 h2; Mechanical 31 "PCB4191V_A00" at -31,570 h2; Mechanical 31 "Adam Sule" at -31,554 h2; Mechanical 31 "3" at -31,550 h2; Mechanical 31 "210.4 x 205.2 mm" at -31,546 h2; Mechanical 31 "1.55 mm +/-5%" at -31,538 h2; Mechanical 31 "6" at -31,534 h2; Mechanical 31 "WHITE, BOTH SIDES (TOP + BOT)" at -31,381.5 h2; Mechanical 31 "SEE BUILD-UP" at -31,438 h2; Mechanical 31 "LEGEND/SILKSCR." at -71,381.5 h2; Mechanical 31 "VIA HOLES" at -71,401.5 h2; Mechanical 31 "RESIST MASK" at -71,426 h2; Mechanical 31 "COPPER PASSIV." at -71,434 h2; Mechanical 31 "COPPER THK." at -71,438 h2; Mechanical 31 ":" at -35,438 h2; Mechanical 31 ":" at -35,434 h2; Mechanical 31 ":" at -35,426 h2; Mechanical 31 ":" at -35,401.5 h2; Mechanical 31 "GENERAL REQ." at -71,494 h2; Mechanical 31 "QUALITY REQ." at -71,502 h2; Mechanical 31 "MARKINGS" at -71,522 h2; Mechanical 31 "MATERIAL(S)" at -71,530 h2; Mechanical 31 "NO OF LAYERS" at -71,534 h2; Mechanical 31 ":" at -35,534 h2; Mechanical 31 ":" at -35,530 h2; Mechanical 31 ":" at -35,522 h2; Mechanical 31 ":" at -35,502 h2; Mechanical 31 ":" at -35,494 h2; Mechanical 31 ":" at -35,538 h2; Mechanical 31 "PRODUCT OWNER" at -71,574 h2; Mechanical 31 "DOCUMENT/BOARD" at -71,570 h2; Mechanical 31 "DATE" at -71,566 h2; Mechanical 31 "REVISION" at -71,562 h2; Mechanical 31 "-------------------------------------------------------------------------" at -71,558 h2; Mechanical 31 "PREPARED BY" at -71,554 h2; Mechanical 31 "BOARDS pr PANEL" at -71,550 h2; Mechanical 31 "PANEL SIZE" at -71,546 h2; Mechanical 31 "BOARD SIZE" at -71,542 h2; Mechanical 31 "BOARD THICKNESS" at -71,538 h2; Mechanical 31 "NOMINAL VALUES for Width, Spacing and VIA Diameter:" at -71,377 h2; Mechanical 31 "(SPECIFICATION CONTINUED ON NEXT PAGE)" at -71,333 h2; Mechanical 31 "Cu SPACING" at -71,369 h2; Mechanical 31 ":" at -35,373 h2; Mechanical 31 "Minimum conductor width     : 0.10 mm (4 mil)" at -31,373 h2; Mechanical 31 "Minimum conductor spacing   : 0.10 mm (4 mil)" at -31,369 h2; Mechanical 31 ":" at -35,369 h2; Mechanical 31 "MINIMUM VIA" at -71,365 h2; Mechanical 31 ":" at -35,365 h2; Mechanical 31 "Minimum via pad diameter : 0.6 mm (23.6 mil) blind vias" at -31,365 h2; Mechanical 31 "Min via hole (SEE HOLE INFORMATION FURTHER DOWN)" at -31,361 h2; Mechanical 31 "Min via hole may have more than one pad diameter." at -31,357 h2; Mechanical 31 "for the Top Side, and Overprinted (Tented) Bot Side is OK" at -31,389.5 h2; Mechanical 31 "If Type IV-b is not available as a process, then Type IV-a" at -31,393.5 h2; Mechanical 31 "Plugged and Covered Both Sides, Low CTE Plugging Paste" at -31,397.5 h2; Mechanical 31 "PLUGGED/FILLED, IPC-4761 (current revision) Type IV-b" at -31,401.5 h2; Mechanical 31 "Solder Mask Color: BLACK (NB! NON-STANDARD)" at -31,426 h2; Mechanical 31 "Photo Polymer Wet film" at -31,422 h2; Mechanical 31 "to IPC-SM-840 Class T requirements (current revision)" at -31,418 h2; Mechanical 31 "Thickness minimum 8 um, maximum 20 um" at -31,414 h2; Mechanical 31 "ENIG to meet IPC-4552 Class 2 requirements (current revision)" at -31,434 h2; Mechanical 31 "(Electroless Nickel/Immersion Gold)" at -31,430 h2; Mechanical 31 "- Copper must not be added or removed from inside the board" at -31,494 h2; Mechanical 31 "outline(s), without written consent/approval." at -31,490 h2; Mechanical 31 "If applicable, the following requirements are valid:" at -31,486 h2; Mechanical 31 "- If Build-Up (Stack-Up) is specified, follow Build-Up," at -31,470 h2; Mechanical 31 "otherwise use (board manufacturer) standard Build-Up." at -31,466 h2; Mechanical 31 "- Break-away areas may be used for patterns, holes etc." at -31,462 h2; Mechanical 31 "by manufacturer for QA purposes." at -31,458 h2; Mechanical 31 "- If V-CUT, use angle 30 +/- 5 degrees." at -31,454 h2; Mechanical 31 "V-CUT minimum remaining thickness 0.5 +/- 0.1 mm." at -31,450 h2; Mechanical 31 "Use of V-CUT test pads is allowed." at -31,446 h2; Mechanical 31 "- Inner radius (contour/outline) 1.2 mm, unless stated  otherwise." at -31,442 h2; Mechanical 31 "refered to by IPC-A-600" at -31,498 h2; Mechanical 31 "IPC-A-600 (current revisions) Class 2, and IPC specifications" at -31,502 h2; Mechanical 31 "Logo, Week/Year, UL (ON SECONDARY SIDE (BOT))" at -31,522 h2; Mechanical 31 "(Avoid areas reserved for DataMatrix, Barcodes or Lables)" at -31,518 h2; Mechanical 31 "See layer stack up below." at -31,530 h2; Mechanical 31 "− Copper balancing may be applied on break−away−tabs," at -31,482 h2; Mechanical 31 "or otherwise outside board outline(s), but must have" at -31,478 h2; Mechanical 31 "Blind Vias for L6-L5 connection" at -31,353 h2; Mechanical 31 "Min via hole may have more than one pad diameter." at -31,341 h2; Mechanical 31 "Min via hole (SEE HOLE INFORMATION FURTHER DOWN)" at -31,345 h2; Mechanical 31 "Minimum via pad diameter : 0.60 mm (23.6 mil)" at -31,349 h2; Mechanical 31 ":" at -35,349 h2; Mechanical 31 "MINIMUM VIA" at -71,349 h2; Mechanical 31 "is allowed." at -31,405.5 h2.3; Mechanical 31 "160 x 160 mm; 30.6 x 160 mm; 33 x 31.8 mm" at -31,542 h2; Mechanical 32 "Core dielectric constant shall be as close to 4.3 / at 2.4 GHz as possible." at -31.254,498 h2; Mechanical 32 "- - -" at -35,526 h2; Mechanical 32 "240 um" at 41,526 h2; Mechanical 32 "| |- PREPREG - 2x2116-47 - -" at -17,526 h2; Mechanical 32 "- - -" at -35,530 h2; Mechanical 32 "180 um" at 41,530 h2; Mechanical 32 "| |- PREPREG - 7628-45 - - -" at -17,530 h2; Mechanical 32 "200um  - -  CENTER - -" at 41,538 h2; Mechanical 32 "| |- PREPREG - 2x2116-47 - -" at -17,550 h2; Mechanical 32 "| |=========================" at -17,522 h2; Mechanical 32 "240 um" at 41,550 h2; Mechanical 32 "18 um Cu" at 41,522 h2; Mechanical 32 "| |- Core - FR4-Improved - -" at -17,518 h2; Mechanical 32 "200 um" at 41,518 h2; Mechanical 32 "| |=========================" at -17,534 h2; Mechanical 32 "18 um Cu" at 41,534 h2; Mechanical 32 "18 um Cu" at 41,542 h2; Mechanical 32 "| |=========================" at -17,542 h2; Mechanical 32 "180 um" at 41,546 h2; Mechanical 32 "| |- PREPREG - 7628-45 - - -" at -17,546 h2; Mechanical 32 "18 um Cu" at 41,554 h2; Mechanical 32 "200 um" at 41,558 h2; Mechanical 32 "35 um Cu (ca) After plating" at 41,562 h2; Mechanical 32 "- - -" at -35,550 h2; Mechanical 32 "- | |-" at -35,518 h2; Mechanical 32 "L5 ==| |=" at -35,522 h2; Mechanical 32 "| |=========================" at -17,554 h2; Mechanical 32 "L2 =====" at -35,554 h2; Mechanical 32 "Blind vias  L5−L6" at -35,570 h2; Mechanical 32 "L4 =====" at -35,534 h2; Mechanical 32 "| |- Core - FR4-Improved - -" at -17,538 h2; Mechanical 32 "- - -" at -35,538 h2; Mechanical 32 ":" at -35,578 h2; Mechanical 32 "L6 ==| |=" at -35,514 h2; Mechanical 32 "L3 =====" at -35,542 h2; Mechanical 32 "- - -" at -35,546 h2; Mechanical 32 "| |=========================  35 um Cu (ca) After plating" at -17,514 h2; Mechanical 32 "- - -" at -35,558 h2; Mechanical 32 "| |=========================" at -17,562 h2; Mechanical 32 "| |- Core - FR4-Improved - -" at -17,558 h2; Mechanical 32 "L1 =====" at -35,562 h2; Mechanical 32 "Page 2" at 13,334 h2; Mechanical 32 "TEST" at -71,470 h2; Mechanical 32 ":" at -35,470 h2; Mechanical 32 "BUILD UP" at -71,578 h2; Mechanical 32 "meaning \"mark well\" or \"observe particularly\"" at -31,438 h2; Mechanical 32 "If NB! is used in this specification, it is latin," at -31,442 h2; Mechanical 32 "(Generate netlist from Gerber and Drill files)" at -31,458 h2; Mechanical 32 "Visual inspection" at -31,462 h2; Mechanical 32 "Optical test, AOI (with automatic scanner)" at -31,466 h2; Mechanical 32 "100% Electrical Test" at -31,470 h2; Mechanical 32 "<--------------------------------------------------------------------- 2(2)" at -71,586 h2